# Altium PCB PCB2.PcbDoc (part 2 of 2) (continued)
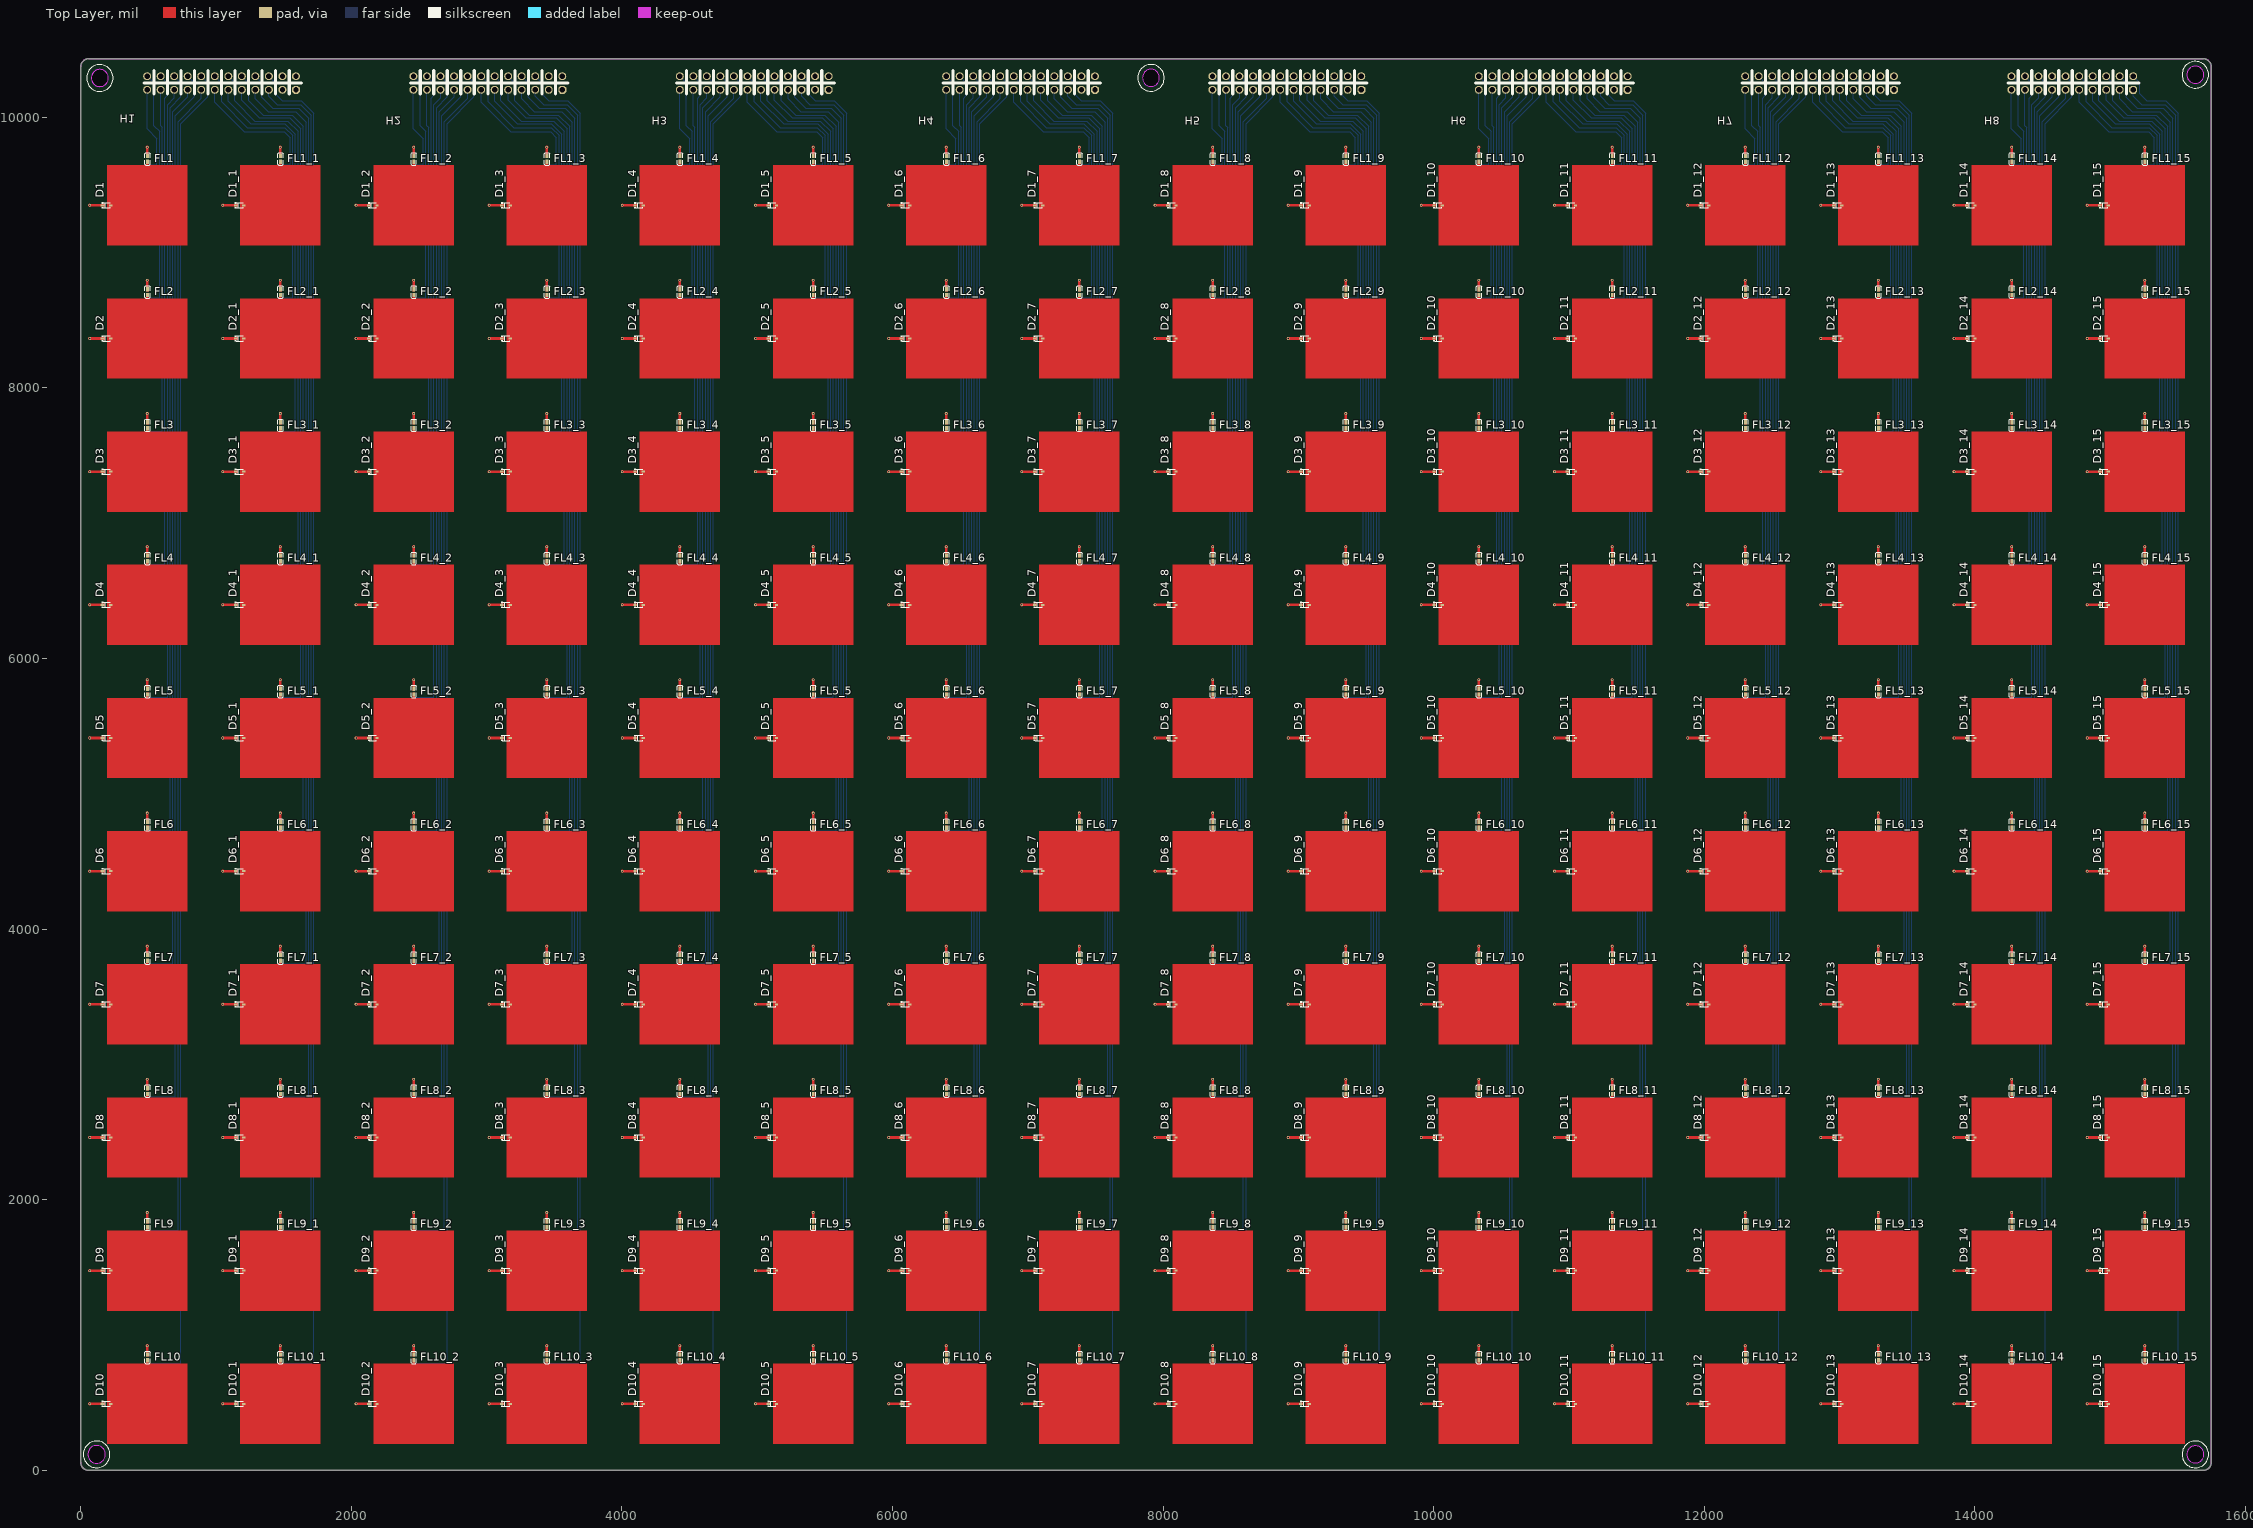
[diagram p0: Top Layer view]
## Nets (pads, with @x,y where several pads share a name; then routed paths per layer and width w, separated by ;. In a path a pad name is that pad's centre, name@x,y a point inside that pad or via, vN(x,y) a via of type N, cw(c..) or ccw(c..) an arc to the next point about the centre after c; other vN are vias at no path point) (continued)
  Bottom Layer w7.87: L3_6.2@6397.48,7738.34 v1(6397.48,7809.87)
NewNet184: H4.21 L3_6.1 | length 2665.7
  Bottom Layer w7.87: L3_6.1@6397.48,7708.34 6397.48,7680.34 6507.84,7680.34 6507.84,9924.67 6496.51,9936 H4.21@6496.51,10203
NewNet185: FL4_6.1 L4_6.2 | length 71.5
  Bottom Layer w7.87: L4_6.2@6397.48,6754.09 v1(6397.48,6825.61)
NewNet186: H4.22 L4_6.1 | length 3793.5
  Bottom Layer w7.87: L4_6.1@6397.48,6724.09 6397.48,6696.09 6527.53,6696.09 6527.53,10142.02 6546.51,10161 6546.51,10253 H4.22@6496.51,10303
NewNet187: FL5_6.1 L5_6.2 | length 71.5
  Bottom Layer w7.87: L5_6.2@6397.48,5769.83 v1(6397.48,5841.36)
NewNet188: H4.19 L5_6.1 | length 4689.3
  Bottom Layer w7.87: L5_6.1@6397.48,5739.83 6397.48,5711.83 6547.21,5711.83 6547.21,10093.7 6596.51,10143 H4.19@6596.51,10203
NewNet189: FL6_6.1 L6_6.2 | length 71.5
  Bottom Layer w7.87: L6_6.2@6397.48,4785.58 v1(6397.48,4857.11)
NewNet190: H4.20 L6_6.1 | length 5826.5
  Bottom Layer w7.87: L6_6.1@6397.48,4755.58 6397.48,4727.58 6566.9,4727.58 6566.9,10070.39 6646.51,10150 6646.51,10253 H4.20@6596.51,10303
NewNet191: FL7_6.1 L7_6.2 | length 71.5
  Bottom Layer w7.87: L7_6.2@6397.48,3801.33 v1(6397.48,3872.86)
NewNet192: H4.17 L7_6.1 | length 6722.3
  Bottom Layer w7.87: L7_6.1@6397.48,3771.33 6397.48,3743.33 6586.58,3743.33 6586.58,10040.07 6696.51,10150 H4.17@6696.51,10203
NewNet193: FL8_6.1 L8_6.2 | length 71.5
  Bottom Layer w7.87: L8_6.2@6397.48,2817.08 v1(6397.48,2888.61)
NewNet194: H4.18 L8_6.1 | length 7858.7
  Bottom Layer w7.87: L8_6.1@6397.48,2787.08 6397.48,2759.08 6606.27,2759.08 6606.27,10011.76 6745.51,10151 6745.51,10254 H4.18@6696.51,10303
NewNet195: FL9_6.1 L9_6.2 | length 71.5
  Bottom Layer w7.87: L9_6.2@6397.48,1832.83 v1(6397.48,1904.35)
NewNet196: H4.15 L9_6.1 | length 8755.3
  Bottom Layer w7.87: L9_6.1@6397.48,1802.83 6397.48,1774.83 6625.95,1774.83 6625.95,9968.44 6796.51,10139 H4.15@6796.51,10203
NewNet197: FL10_6.1 L10_6.2 | length 71.5
  Bottom Layer w7.87: L10_6.2@6397.48,848.57 v1(6397.48,920.1)
NewNet198: H4.16 L10_6.1 | length 9890
  Bottom Layer w7.87: L10_6.1@6397.48,818.57 6397.48,790.57 6645.64,790.57 6645.64,9952.13 6843.51,10150 6843.51,10256 H4.16@6796.51,10303
NewNet199: FL1_6.1 L1_6.2 | length 71.5
  Bottom Layer w7.87: L1_6.2@6397.48,9706.84 v1(6397.48,9778.37)
NewNet200: H4.23 L1_6.1 | length 683
  Bottom Layer w7.87: H4.23@6396.51,10203 6396.51,9913.96 6468.47,9842 6468.47,9648.84 6397.48,9648.84 L1_6.1@6397.48,9676.84
NewNet201: FL2_5.1 L2_5.2 | length 71.5
  Bottom Layer w7.87: L2_5.2@5413.23,8722.59 v1(5413.23,8794.12)
NewNet202: H3.14 L2_5.1 | length 2157.3
  Bottom Layer w7.87: H3.14@4928.01,10303 4979.01,10252 4979.01,10114 5169.01,9924 5445.01,9924 5503.91,9865.1 5503.91,9842 5503.91,8664.59 5413.23,8664.59 L2_5.1@5413.23,8692.59
NewNet203: FL3_5.1 L3_5.2 | length 71.5
  Bottom Layer w7.87: L3_5.2@5413.23,7738.34 v1(5413.23,7809.87)
NewNet204: H3.11 L3_5.1 | length 3013.9
  Bottom Layer w7.87: H3.11@5028.01,10203 5028.01,10119 5195.01,9952 5447.01,9952 5523.59,9875.42 5523.59,9842 5523.59,7680.34 5413.23,7680.34 L3_5.1@5413.23,7708.34
NewNet205: FL4_5.1 L4_5.2 | length 71.5
  Bottom Layer w7.87: L4_5.2@5413.23,6754.09 v1(5413.23,6825.61)
NewNet206: H3.12 L4_5.1 | length 4119.6
  Bottom Layer w7.87: H3.12@5028.01,10303 5075.01,10256 5075.01,10122 5225.01,9972 5466.01,9972 5543.28,9894.73 5543.28,9842 5543.28,6696.09 5413.23,6696.09 L4_5.1@5413.23,6724.09
NewNet207: FL5_5.1 L5_5.2 | length 71.5
  Bottom Layer w7.87: L5_5.2@5413.23,5769.83 v1(5413.23,5841.36)
NewNet208: H3.9 L5_5.1 | length 4980.3
  Bottom Layer w7.87: H3.9@5128.01,10203 5128.01,10126 5258.01,9996 5482.01,9996 5562.96,9915.05 5562.96,9842 5562.96,5711.83 5413.23,5711.83 L5_5.1@5413.23,5739.83
NewNet209: FL6_5.1 L6_5.2 | length 71.5
  Bottom Layer w7.87: L6_5.2@5413.23,4785.58 v1(5413.23,4857.11)
NewNet210: H3.10 L6_5.1 | length 6086.5
  Bottom Layer w7.87: H3.10@5128.01,10303 5178.01,10253 5178.01,10123 5285.01,10016 5499.01,10016 5582.65,9932.36 5582.65,9842 5582.65,4727.58 5413.23,4727.58 L6_5.1@5413.23,4755.58
NewNet211: FL7_5.1 L7_5.2 | length 71.5
  Bottom Layer w7.87: L7_5.2@5413.23,3801.33 v1(5413.23,3872.86)
NewNet212: H3.7 L7_5.1 | length 6950.7
  Bottom Layer w7.87: H3.7@5228.01,10203 5228.01,10135 5322.01,10041 5525.01,10041 5602.33,9963.68 5602.33,9842 5602.33,3743.33 5413.23,3743.33 L7_5.1@5413.23,3771.33
NewNet213: FL8_5.1 L8_5.2 | length 71.5
  Bottom Layer w7.87: L8_5.2@5413.23,2817.08 v1(5413.23,2888.61)
NewNet214: H3.8 L8_5.1 | length 8055.8
  Bottom Layer w7.87: H3.8@5228.01,10303 5277.01,10254 5277.01,10146 5358.01,10065 5549.01,10065 5622.02,9991.99 5622.02,9842 5622.02,2759.08 5413.23,2759.08 L8_5.1@5413.23,2787.08
NewNet215: FL9_5.1 L9_5.2 | length 71.5
  Bottom Layer w7.87: L9_5.2@5413.23,1832.83 v1(5413.23,1904.35)
NewNet216: H3.5 L9_5.1 | length 8917.1
  Bottom Layer w7.87: H3.5@5328.01,10203 5328.01,10154 5390.01,10092 5565.01,10092 5641.7,10015.31 5641.7,9842 5641.7,1774.83 5413.23,1774.83 L9_5.1@5413.23,1802.83
NewNet217: FL10_5.1 L10_5.2 | length 71.5
  Bottom Layer w7.87: L10_5.2@5413.23,848.57 v1(5413.23,920.1)
NewNet218: H3.6 L10_5.1 | length 10008.7
  Bottom Layer w7.87: H3.6@5328.01,10303 5376.01,10255 5376.01,10174 5428.01,10122 5568.01,10122 5661.39,10028.62 5661.39,9842 5661.39,790.57 5413.23,790.57 L10_5.1@5413.23,818.57
NewNet219: FL1_5.1 L1_5.2 | length 71.5
  Bottom Layer w7.87: L1_5.2@5413.23,9706.84 v1(5413.23,9778.37)
NewNet220: H3.13 L1_5.1 | length 1056.3
  Bottom Layer w7.87: H3.13@4928.01,10203 4928.01,10109 5146.01,9891 5441.01,9891 5484.22,9847.79 5484.22,9842 5484.22,9648.84 5413.23,9648.84 L1_5.1@5413.23,9676.84
NewNet221: FL2_4.1 L2_4.2 | length 71.5
  Bottom Layer w7.87: L2_4.2@4428.98,8722.59 v1(4428.98,8794.12)
NewNet222: H3.24 L2_4.1 | length 1795
  Bottom Layer w7.87: H3.24@4428.01,10303 4477.01,10254 4477.01,9938 4519.65,9895.35 4519.65,8664.59 4428.98,8664.59 L2_4.1@4428.98,8692.59
NewNet223: FL3_4.1 L3_4.2 | length 71.5
  Bottom Layer w7.87: L3_4.2@4428.98,7738.34 v1(4428.98,7809.87)
NewNet224: H3.21 L3_4.1 | length 2665.7
  Bottom Layer w7.87: L3_4.1@4428.98,7708.34 4428.98,7680.34 4539.34,7680.34 4539.34,9924.67 4528.01,9936 H3.21@4528.01,10203
NewNet225: FL4_4.1 L4_4.2 | length 71.5
  Bottom Layer w7.87: L4_4.2@4428.98,6754.09 v1(4428.98,6825.61)
NewNet226: H3.22 L4_4.1 | length 3793.5
  Bottom Layer w7.87: L4_4.1@4428.98,6724.09 4428.98,6696.09 4559.02,6696.09 4559.02,10142.02 4578.01,10161 4578.01,10253 H3.22@4528.01,10303
NewNet227: FL5_4.1 L5_4.2 | length 71.5
  Bottom Layer w7.87: L5_4.2@4428.98,5769.83 v1(4428.98,5841.36)
NewNet228: H3.19 L5_4.1 | length 4689.3
  Bottom Layer w7.87: L5_4.1@4428.98,5739.83 4428.98,5711.83 4578.71,5711.83 4578.71,10093.7 4628.01,10143 H3.19@4628.01,10203
NewNet229: FL6_4.1 L6_4.2 | length 71.5
  Bottom Layer w7.87: L6_4.2@4428.98,4785.58 v1(4428.98,4857.11)
NewNet230: H3.20 L6_4.1 | length 5826.5
  Bottom Layer w7.87: L6_4.1@4428.98,4755.58 4428.98,4727.58 4598.39,4727.58 4598.39,10070.39 4678.01,10150 4678.01,10253 H3.20@4628.01,10303
NewNet231: FL7_4.1 L7_4.2 | length 71.5
  Bottom Layer w7.87: L7_4.2@4428.98,3801.33 v1(4428.98,3872.86)
NewNet232: H3.17 L7_4.1 | length 6722.3
  Bottom Layer w7.87: L7_4.1@4428.98,3771.33 4428.98,3743.33 4618.08,3743.33 4618.08,10040.07 4728.01,10150 H3.17@4728.01,10203
NewNet233: FL8_4.1 L8_4.2 | length 71.5
  Bottom Layer w7.87: L8_4.2@4428.98,2817.08 v1(4428.98,2888.61)
NewNet234: H3.18 L8_4.1 | length 7858.7
  Bottom Layer w7.87: L8_4.1@4428.98,2787.08 4428.98,2759.08 4637.76,2759.08 4637.76,10011.76 4777.01,10151 4777.01,10254 H3.18@4728.01,10303
NewNet235: FL9_4.1 L9_4.2 | length 71.5
  Bottom Layer w7.87: L9_4.2@4428.98,1832.83 v1(4428.98,1904.35)
NewNet236: H3.15 L9_4.1 | length 8755.3
  Bottom Layer w7.87: L9_4.1@4428.98,1802.83 4428.98,1774.83 4657.45,1774.83 4657.45,9968.44 4828.01,10139 H3.15@4828.01,10203
NewNet237: FL10_4.1 L10_4.2 | length 71.5
  Bottom Layer w7.87: L10_4.2@4428.98,848.57 v1(4428.98,920.1)
NewNet238: H3.16 L10_4.1 | length 9890
  Bottom Layer w7.87: L10_4.1@4428.98,818.57 4428.98,790.57 4677.13,790.57 4677.13,9952.13 4875.01,10150 4875.01,10256 H3.16@4828.01,10303
NewNet239: FL1_4.1 L1_4.2 | length 71.5
  Bottom Layer w7.87: L1_4.2@4428.98,9706.84 v1(4428.98,9778.37)
NewNet240: H3.23 L1_4.1 | length 683
  Bottom Layer w7.87: H3.23@4428.01,10203 4428.01,9913.96 4499.97,9842 4499.97,9648.84 4428.98,9648.84 L1_4.1@4428.98,9676.84
NewNet241: FL2_3.1 L2_3.2 | length 71.5
  Bottom Layer w7.87: L2_3.2@3444.72,8722.59 v1(3444.72,8794.12)
NewNet242: H2.14 L2_3.1 | length 2157.3
  Bottom Layer w7.87: H2.14@2959.5,10303 3010.5,10252 3010.5,10114 3200.5,9924 3476.5,9924 3535.4,9865.1 3535.4,8664.59 3444.72,8664.59 L2_3.1@3444.72,8692.59
NewNet243: FL3_3.1 L3_3.2 | length 71.5
  Bottom Layer w7.87: L3_3.2@3444.72,7738.34 v1(3444.72,7809.87)
NewNet244: H2.11 L3_3.1 | length 3013.9
  Bottom Layer w7.87: H2.11@3059.5,10203 3059.5,10119 3226.5,9952 3478.5,9952 3555.09,9875.42 3555.09,7680.34 3444.72,7680.34 L3_3.1@3444.72,7708.34
NewNet245: FL4_3.1 L4_3.2 | length 71.5
  Bottom Layer w7.87: L4_3.2@3444.72,6754.09 v1(3444.72,6825.61)
NewNet246: H2.12 L4_3.1 | length 4119.6
  Bottom Layer w7.87: H2.12@3059.5,10303 3106.5,10256 3106.5,10122 3256.5,9972 3497.5,9972 3574.77,9894.73 3574.77,6696.09 3444.72,6696.09 L4_3.1@3444.72,6724.09
NewNet247: FL5_3.1 L5_3.2 | length 71.5
  Bottom Layer w7.87: L5_3.2@3444.72,5769.83 v1(3444.72,5841.36)
NewNet248: H2.9 L5_3.1 | length 4980.3
  Bottom Layer w7.87: H2.9@3159.5,10203 3159.5,10126 3289.5,9996 3513.5,9996 3594.46,9915.05 3594.46,5711.83 3444.72,5711.83 L5_3.1@3444.72,5739.83
NewNet249: FL6_3.1 L6_3.2 | length 71.5
  Bottom Layer w7.87: L6_3.2@3444.72,4785.58 v1(3444.72,4857.11)
NewNet250: H2.10 L6_3.1 | length 6086.5
  Bottom Layer w7.87: H2.10@3159.5,10303 3209.5,10253 3209.5,10123 3316.5,10016 3530.5,10016 3614.14,9932.36 3614.14,4727.58 3444.72,4727.58 L6_3.1@3444.72,4755.58
NewNet251: FL7_3.1 L7_3.2 | length 71.5
  Bottom Layer w7.87: L7_3.2@3444.72,3801.33 v1(3444.72,3872.86)
NewNet252: H2.7 L7_3.1 | length 6950.7
  Bottom Layer w7.87: H2.7@3259.5,10203 3259.5,10135 3353.5,10041 3556.5,10041 3633.83,9963.68 3633.83,3743.33 3444.72,3743.33 L7_3.1@3444.72,3771.33
NewNet253: FL8_3.1 L8_3.2 | length 71.5
  Bottom Layer w7.87: L8_3.2@3444.72,2817.08 v1(3444.72,2888.61)
NewNet254: H2.8 L8_3.1 | length 8055.8
  Bottom Layer w7.87: H2.8@3259.5,10303 3308.5,10254 3308.5,10146 3389.5,10065 3580.5,10065 3653.51,9991.99 3653.51,2759.08 3444.72,2759.08 L8_3.1@3444.72,2787.08
NewNet255: FL9_3.1 L9_3.2 | length 71.5
  Bottom Layer w7.87: L9_3.2@3444.72,1832.83 v1(3444.72,1904.35)
NewNet256: H2.5 L9_3.1 | length 8917.1
  Bottom Layer w7.87: H2.5@3359.5,10203 3359.5,10154 3421.5,10092 3596.5,10092 3673.2,10015.31 3673.2,1774.83 3444.72,1774.83 L9_3.1@3444.72,1802.83
NewNet257: FL10_3.1 L10_3.2 | length 71.5
  Bottom Layer w7.87: L10_3.2@3444.72,848.57 v1(3444.72,920.1)
NewNet258: H2.6 L10_3.1 | length 10008.7
  Bottom Layer w7.87: H2.6@3359.5,10303 3407.5,10255 3407.5,10174 3459.5,10122 3599.5,10122 3692.88,10028.62 3692.88,790.57 3444.72,790.57 L10_3.1@3444.72,818.57
NewNet259: FL1_3.1 L1_3.2 | length 71.5
  Bottom Layer w7.87: L1_3.2@3444.72,9706.84 v1(3444.72,9778.37)
NewNet260: H2.13 L1_3.1 | length 1056.3
  Bottom Layer w7.87: H2.13@2959.5,10203 2959.5,10109 3177.5,9891 3472.5,9891 3515.72,9847.79 3515.72,9648.84 3444.72,9648.84 L1_3.1@3444.72,9676.84
NewNet261: FL2_2.1 L2_2.2 | length 71.5
  Bottom Layer w7.87: L2_2.2@2460.47,8722.59 v1(2460.47,8794.12)
NewNet262: H2.24 L2_2.1 | length 1795
  Bottom Layer w7.87: H2.24@2459.5,10303 2508.5,10254 2508.5,9938 2551.15,9895.35 2551.15,8664.59 2460.47,8664.59 L2_2.1@2460.47,8692.59
NewNet263: FL3_2.1 L3_2.2 | length 71.5
  Bottom Layer w7.87: L3_2.2@2460.47,7738.34 v1(2460.47,7809.87)
NewNet264: H2.21 L3_2.1 | length 2665.7
  Bottom Layer w7.87: L3_2.1@2460.47,7708.34 2460.47,7680.34 2570.83,7680.34 2570.83,9924.67 2559.5,9936 H2.21@2559.5,10203
NewNet265: FL4_2.1 L4_2.2 | length 71.5
  Bottom Layer w7.87: L4_2.2@2460.47,6754.09 v1(2460.47,6825.61)
NewNet266: H2.22 L4_2.1 | length 3793.5
  Bottom Layer w7.87: L4_2.1@2460.47,6724.09 2460.47,6696.09 2590.52,6696.09 2590.52,10142.02 2609.5,10161 2609.5,10253 H2.22@2559.5,10303
NewNet267: FL5_2.1 L5_2.2 | length 71.5
  Bottom Layer w7.87: L5_2.2@2460.47,5769.83 v1(2460.47,5841.36)
NewNet268: H2.19 L5_2.1 | length 4689.3
  Bottom Layer w7.87: L5_2.1@2460.47,5739.83 2460.47,5711.83 2610.2,5711.83 2610.2,10093.7 2659.5,10143 H2.19@2659.5,10203
NewNet269: FL6_2.1 L6_2.2 | length 71.5
  Bottom Layer w7.87: L6_2.2@2460.47,4785.58 v1(2460.47,4857.11)
NewNet270: H2.20 L6_2.1 | length 5826.5
  Bottom Layer w7.87: L6_2.1@2460.47,4755.58 2460.47,4727.58 2629.89,4727.58 2629.89,10070.39 2709.5,10150 2709.5,10253 H2.20@2659.5,10303
NewNet271: FL7_2.1 L7_2.2 | length 71.5
  Bottom Layer w7.87: L7_2.2@2460.47,3801.33 v1(2460.47,3872.86)
NewNet272: H2.17 L7_2.1 | length 6722.3
  Bottom Layer w7.87: L7_2.1@2460.47,3771.33 2460.47,3743.33 2649.57,3743.33 2649.57,10040.07 2759.5,10150 H2.17@2759.5,10203
NewNet273: FL8_2.1 L8_2.2 | length 71.5
  Bottom Layer w7.87: L8_2.2@2460.47,2817.08 v1(2460.47,2888.61)
NewNet274: H2.18 L8_2.1 | length 7858.7
  Bottom Layer w7.87: L8_2.1@2460.47,2787.08 2460.47,2759.08 2669.26,2759.08 2669.26,10011.76 2808.5,10151 2808.5,10254 H2.18@2759.5,10303
NewNet275: FL9_2.1 L9_2.2 | length 71.5
  Bottom Layer w7.87: L9_2.2@2460.47,1832.83 v1(2460.47,1904.35)
NewNet276: H2.15 L9_2.1 | length 8755.3
  Bottom Layer w7.87: L9_2.1@2460.47,1802.83 2460.47,1774.83 2688.94,1774.83 2688.94,9968.44 2859.5,10139 H2.15@2859.5,10203
NewNet277: FL10_2.1 L10_2.2 | length 71.5
  Bottom Layer w7.87: L10_2.2@2460.47,848.57 v1(2460.47,920.1)
NewNet278: H2.16 L10_2.1 | length 9890
  Bottom Layer w7.87: L10_2.1@2460.47,818.57 2460.47,790.57 2708.63,790.57 2708.63,9952.13 2906.5,10150 2906.5,10256 H2.16@2859.5,10303
NewNet279: FL1_2.1 L1_2.2 | length 71.5
  Bottom Layer w7.87: L1_2.2@2460.47,9706.84 v1(2460.47,9778.37)
NewNet280: H2.23 L1_2.1 | length 683
  Bottom Layer w7.87: H2.23@2459.5,10203 2459.5,9913.96 2531.46,9842 2531.46,9648.84 2460.47,9648.84 L1_2.1@2460.47,9676.84
NewNet281: FL2_1.1 L2_1.2 | length 71.5
  Bottom Layer w7.87: L2_1.2@1476.22,8722.59 v1(1476.22,8794.12)
NewNet282: H1.14 L2_1.1 | length 2157.3
  Bottom Layer w7.87: H1.14@991,10303 1042,10252 1042,10114 1232,9924 1508,9924 1566.9,9865.1 1566.9,8664.59 1476.22,8664.59 L2_1.1@1476.22,8692.59
NewNet283: FL3_1.1 L3_1.2 | length 71.5
  Bottom Layer w7.87: L3_1.2@1476.22,7738.34 v1(1476.22,7809.87)
NewNet284: H1.11 L3_1.1 | length 3013.9
  Bottom Layer w7.87: H1.11@1091,10203 1091,10119 1258,9952 1510,9952 1586.58,9875.42 1586.58,7680.34 1476.22,7680.34 L3_1.1@1476.22,7708.34
NewNet285: FL4_1.1 L4_1.2 | length 71.5
  Bottom Layer w7.87: L4_1.2@1476.22,6754.09 v1(1476.22,6825.61)
NewNet286: H1.12 L4_1.1 | length 4119.6
  Bottom Layer w7.87: H1.12@1091,10303 1138,10256 1138,10122 1288,9972 1529,9972 1606.27,9894.73 1606.27,6696.09 1476.22,6696.09 L4_1.1@1476.22,6724.09
NewNet287: FL5_1.1 L5_1.2 | length 71.5
  Bottom Layer w7.87: L5_1.2@1476.22,5769.83 v1(1476.22,5841.36)
NewNet288: H1.9 L5_1.1 | length 4980.3
  Bottom Layer w7.87: H1.9@1191,10203 1191,10126 1321,9996 1545,9996 1625.95,9915.05 1625.95,5711.83 1476.22,5711.83 L5_1.1@1476.22,5739.83
NewNet289: FL6_1.1 L6_1.2 | length 71.5
  Bottom Layer w7.87: L6_1.2@1476.22,4785.58 v1(1476.22,4857.11)
NewNet290: H1.10 L6_1.1 | length 6086.5
  Bottom Layer w7.87: H1.10@1191,10303 1241,10253 1241,10123 1348,10016 1562,10016 1645.64,9932.36 1645.64,4727.58 1476.22,4727.58 L6_1.1@1476.22,4755.58
NewNet291: FL7_1.1 L7_1.2 | length 71.5
  Bottom Layer w7.87: L7_1.2@1476.22,3801.33 v1(1476.22,3872.86)
NewNet292: H1.7 L7_1.1 | length 6950.7
  Bottom Layer w7.87: H1.7@1291,10203 1291,10135 1385,10041 1588,10041 1665.32,9963.68 1665.32,3743.33 1476.22,3743.33 L7_1.1@1476.22,3771.33
NewNet293: FL8_1.1 L8_1.2 | length 71.5
  Bottom Layer w7.87: L8_1.2@1476.22,2817.08 v1(1476.22,2888.61)
NewNet294: H1.8 L8_1.1 | length 8055.8
  Bottom Layer w7.87: H1.8@1291,10303 1340,10254 1340,10146 1421,10065 1612,10065 1685.01,9991.99 1685.01,2759.08 1476.22,2759.08 L8_1.1@1476.22,2787.08
NewNet295: FL9_1.1 L9_1.2 | length 71.5
  Bottom Layer w7.87: L9_1.2@1476.22,1832.83 v1(1476.22,1904.35)
NewNet296: H1.5 L9_1.1 | length 8917.1
  Bottom Layer w7.87: H1.5@1391,10203 1391,10154 1453,10092 1628,10092 1704.69,10015.31 1704.69,1774.83 1476.22,1774.83 L9_1.1@1476.22,1802.83
NewNet297: FL10_1.1 L10_1.2 | length 71.5
  Bottom Layer w7.87: L10_1.2@1476.22,848.57 v1(1476.22,920.1)
NewNet298: H1.6 L10_1.1 | length 10008.7
  Bottom Layer w7.87: H1.6@1391,10303 1439,10255 1439,10174 1491,10122 1631,10122 1724.38,10028.62 1724.38,790.57 1476.22,790.57 L10_1.1@1476.22,818.57
NewNet299: FL1_1.1 L1_1.2 | length 71.5
  Bottom Layer w7.87: L1_1.2@1476.22,9706.84 v1(1476.22,9778.37)
NewNet300: H1.13 L1_1.1 | length 1056.3
  Bottom Layer w7.87: H1.13@991,10203 991,10109 1209,9891 1504,9891 1547.21,9847.79 1547.21,9648.84 1476.22,9648.84 L1_1.1@1476.22,9676.84
NewNet301: FL1.1 L1.2 | length 71.5
  Bottom Layer w7.87: L1.2@491.97,9706.84 v1(491.97,9778.37)
NewNet302: H1.23 L1.1 | length 683
  Bottom Layer w7.87: H1.23@491,10203 491,9913.96 562.96,9842 562.96,9648.84 491.97,9648.84 L1.1@491.97,9676.84
NewNet303: FL10.1 L10.2 | length 71.5
  Bottom Layer w7.87: L10.2@491.97,848.57 v1(491.97,920.1)
NewNet304: H1.16 L10.1 | length 9890
  Bottom Layer w7.87: L10.1@491.97,818.57 491.97,790.57 740.13,790.57 740.13,9952.13 938,10150 938,10256 H1.16@891,10303
NewNet305: FL9.1 L9.2 | length 71.5
  Bottom Layer w7.87: L9.2@491.97,1832.83 v1(491.97,1904.35)
NewNet306: H1.15 L9.1 | length 8755.3
  Bottom Layer w7.87: L9.1@491.97,1802.83 491.97,1774.83 720.44,1774.83 720.44,9968.44 891,10139 H1.15@891,10203
NewNet307: FL8.1 L8.2 | length 71.5
  Bottom Layer w7.87: L8.2@491.97,2817.08 v1(491.97,2888.61)
NewNet308: H1.18 L8.1 | length 7858.7
  Bottom Layer w7.87: L8.1@491.97,2787.08 491.97,2759.08 700.76,2759.08 700.76,10011.76 840,10151 840,10254 H1.18@791,10303
NewNet309: FL7.1 L7.2 | length 71.5
  Bottom Layer w7.87: L7.2@491.97,3801.33 v1(491.97,3872.86)
NewNet310: H1.17 L7.1 | length 6722.3
  Bottom Layer w7.87: L7.1@491.97,3771.33 491.97,3743.33 681.07,3743.33 681.07,10040.07 791,10150 H1.17@791,10203
NewNet311: FL6.1 L6.2 | length 71.5
  Bottom Layer w7.87: L6.2@491.97,4785.58 v1(491.97,4857.11)
NewNet312: H1.20 L6.1 | length 5826.5
  Bottom Layer w7.87: L6.1@491.97,4755.58 491.97,4727.58 661.39,4727.58 661.39,10070.39 741,10150 741,10253 H1.20@691,10303
NewNet313: FL5.1 L5.2 | length 71.5
  Bottom Layer w7.87: L5.2@491.97,5769.83 v1(491.97,5841.36)
NewNet314: H1.19 L5.1 | length 4689.3
  Bottom Layer w7.87: L5.1@491.97,5739.83 491.97,5711.83 641.7,5711.83 641.7,10093.7 691,10143 H1.19@691,10203
NewNet315: FL4.1 L4.2 | length 71.5
  Bottom Layer w7.87: L4.2@491.97,6754.09 v1(491.97,6825.61)
NewNet316: H1.22 L4.1 | length 3793.5
  Bottom Layer w7.87: L4.1@491.97,6724.09 491.97,6696.09 622.02,6696.09 622.02,10142.02 641,10161 641,10253 H1.22@591,10303
NewNet317: FL3.1 L3.2 | length 71.5
  Bottom Layer w7.87: L3.2@491.97,7738.34 v1(491.97,7809.87)
NewNet318: H1.21 L3.1 | length 2665.7
  Bottom Layer w7.87: L3.1@491.97,7708.34 491.97,7680.34 602.33,7680.34 602.33,9924.67 591,9936 H1.21@591,10203
NewNet319: FL2.1 L2.2 | length 71.5
  Bottom Layer w7.87: L2.2@491.97,8722.59 v1(491.97,8794.12)
NewNet320: H1.24 L2.1 | length 1795
  Bottom Layer w7.87: H1.24@491,10303 540,10254 540,9938 582.65,9895.35 582.65,8664.59 491.97,8664.59 L2.1@491.97,8692.59
NewNet321: D1_15.2 FL1_15.2
NewNet322: D2_15.2 FL2_15.2
NewNet323: D3_15.2 FL3_15.2
NewNet324: D4_15.2 FL4_15.2
NewNet325: D5_15.2 FL5_15.2
NewNet326: D6_15.2 FL6_15.2
NewNet327: D7_15.2 FL7_15.2
NewNet328: D8_15.2 FL8_15.2
NewNet329: D9_15.2 FL9_15.2
NewNet330: D10_15.2 FL10_15.2
NewNet331: D1_14.2 FL1_14.2
NewNet332: D2_14.2 FL2_14.2
NewNet333: D3_14.2 FL3_14.2
NewNet334: D4_14.2 FL4_14.2
NewNet335: D5_14.2 FL5_14.2
NewNet336: D6_14.2 FL6_14.2
NewNet337: D7_14.2 FL7_14.2
NewNet338: D8_14.2 FL8_14.2
NewNet339: D9_14.2 FL9_14.2
NewNet340: D10_14.2 FL10_14.2
NewNet341: D1_13.2 FL1_13.2
NewNet342: D2_13.2 FL2_13.2
NewNet343: D3_13.2 FL3_13.2
NewNet344: D4_13.2 FL4_13.2
NewNet345: D5_13.2 FL5_13.2
NewNet346: D6_13.2 FL6_13.2
NewNet347: D7_13.2 FL7_13.2
NewNet348: D8_13.2 FL8_13.2
NewNet349: D9_13.2 FL9_13.2
NewNet350: D10_13.2 FL10_13.2
NewNet351: D1_12.2 FL1_12.2
NewNet352: D2_12.2 FL2_12.2
NewNet353: D3_12.2 FL3_12.2
NewNet354: D4_12.2 FL4_12.2
NewNet355: D5_12.2 FL5_12.2
NewNet356: D6_12.2 FL6_12.2
NewNet357: D7_12.2 FL7_12.2
NewNet358: D8_12.2 FL8_12.2
NewNet359: D9_12.2 FL9_12.2
NewNet360: D10_12.2 FL10_12.2
NewNet361: D1_11.2 FL1_11.2
NewNet362: D2_11.2 FL2_11.2
NewNet363: D3_11.2 FL3_11.2
NewNet364: D4_11.2 FL4_11.2
NewNet365: D5_11.2 FL5_11.2
NewNet366: D6_11.2 FL6_11.2
NewNet367: D7_11.2 FL7_11.2
NewNet368: D8_11.2 FL8_11.2
NewNet369: D9_11.2 FL9_11.2
NewNet370: D10_11.2 FL10_11.2
NewNet371: D1_10.2 FL1_10.2
NewNet372: D2_10.2 FL2_10.2
NewNet373: D3_10.2 FL3_10.2
NewNet374: D4_10.2 FL4_10.2
NewNet375: D5_10.2 FL5_10.2
NewNet376: D6_10.2 FL6_10.2
NewNet377: D7_10.2 FL7_10.2
NewNet378: D8_10.2 FL8_10.2
NewNet379: D9_10.2 FL9_10.2
NewNet380: D10_10.2 FL10_10.2
NewNet381: D1_9.2 FL1_9.2
NewNet382: D2_9.2 FL2_9.2
NewNet383: D3_9.2 FL3_9.2
NewNet384: D4_9.2 FL4_9.2
NewNet385: D5_9.2 FL5_9.2
NewNet386: D6_9.2 FL6_9.2
NewNet387: D7_9.2 FL7_9.2
NewNet388: D8_9.2 FL8_9.2
NewNet389: D9_9.2 FL9_9.2
NewNet390: D10_9.2 FL10_9.2
NewNet391: D1_8.2 FL1_8.2
NewNet392: D2_8.2 FL2_8.2
NewNet393: D3_8.2 FL3_8.2
NewNet394: D4_8.2 FL4_8.2
NewNet395: D5_8.2 FL5_8.2
NewNet396: D6_8.2 FL6_8.2
NewNet397: D7_8.2 FL7_8.2
NewNet398: D8_8.2 FL8_8.2
NewNet399: D9_8.2 FL9_8.2
NewNet400: D10_8.2 FL10_8.2
NewNet401: D1_7.2 FL1_7.2
NewNet402: D2_7.2 FL2_7.2
NewNet403: D3_7.2 FL3_7.2
NewNet404: D4_7.2 FL4_7.2
NewNet405: D5_7.2 FL5_7.2
NewNet406: D6_7.2 FL6_7.2
NewNet407: D7_7.2 FL7_7.2
NewNet408: D8_7.2 FL8_7.2
NewNet409: D9_7.2 FL9_7.2
NewNet410: D10_7.2 FL10_7.2
NewNet411: D1_6.2 FL1_6.2
NewNet412: D2_6.2 FL2_6.2
NewNet413: D3_6.2 FL3_6.2
NewNet414: D4_6.2 FL4_6.2
NewNet415: D5_6.2 FL5_6.2
NewNet416: D6_6.2 FL6_6.2
NewNet417: D7_6.2 FL7_6.2
NewNet418: D8_6.2 FL8_6.2
NewNet419: D9_6.2 FL9_6.2
NewNet420: D10_6.2 FL10_6.2
NewNet421: D1_5.2 FL1_5.2
NewNet422: D2_5.2 FL2_5.2
NewNet423: D3_5.2 FL3_5.2
NewNet424: D4_5.2 FL4_5.2
NewNet425: D5_5.2 FL5_5.2
NewNet426: D6_5.2 FL6_5.2
NewNet427: D7_5.2 FL7_5.2
NewNet428: D8_5.2 FL8_5.2
NewNet429: D9_5.2 FL9_5.2
NewNet430: D10_5.2 FL10_5.2
NewNet431: D1_4.2 FL1_4.2
NewNet432: D2_4.2 FL2_4.2
NewNet433: D3_4.2 FL3_4.2
NewNet434: D4_4.2 FL4_4.2
NewNet435: D5_4.2 FL5_4.2
NewNet436: D6_4.2 FL6_4.2
NewNet437: D7_4.2 FL7_4.2
NewNet438: D8_4.2 FL8_4.2
NewNet439: D9_4.2 FL9_4.2
NewNet440: D10_4.2 FL10_4.2
NewNet441: D1_3.2 FL1_3.2
NewNet442: D2_3.2 FL2_3.2
NewNet443: D3_3.2 FL3_3.2
NewNet444: D4_3.2 FL4_3.2
NewNet445: D5_3.2 FL5_3.2
NewNet446: D6_3.2 FL6_3.2
NewNet447: D7_3.2 FL7_3.2
NewNet448: D8_3.2 FL8_3.2
NewNet449: D9_3.2 FL9_3.2
NewNet450: D10_3.2 FL10_3.2
NewNet451: D1_2.2 FL1_2.2
NewNet452: D2_2.2 FL2_2.2
NewNet453: D3_2.2 FL3_2.2
NewNet454: D4_2.2 FL4_2.2
NewNet455: D5_2.2 FL5_2.2
NewNet456: D6_2.2 FL6_2.2
NewNet457: D7_2.2 FL7_2.2
NewNet458: D8_2.2 FL8_2.2
NewNet459: D9_2.2 FL9_2.2
NewNet460: D10_2.2 FL10_2.2
NewNet461: D1_1.2 FL1_1.2
NewNet462: D2_1.2 FL2_1.2
NewNet463: D3_1.2 FL3_1.2
NewNet464: D4_1.2 FL4_1.2
NewNet465: D5_1.2 FL5_1.2
NewNet466: D6_1.2 FL6_1.2
NewNet467: D7_1.2 FL7_1.2
NewNet468: D8_1.2 FL8_1.2
NewNet469: D9_1.2 FL9_1.2
NewNet470: D10_1.2 FL10_1.2
NewNet471: D10.2 FL10.2
NewNet472: D9.2 FL9.2
NewNet473: D8.2 FL8.2
NewNet474: D7.2 FL7.2
NewNet475: D6.2 FL6.2
NewNet476: D5.2 FL5.2
NewNet477: D4.2 FL4.2
NewNet478: D3.2 FL3.2
NewNet479: D2.2 FL2.2
NewNet480: D1.2 FL1.2

## Polygon pours and split planes (outlines as drawn)
GND on Y1 "GND1" (solid, pour order 6): -0.16,10431.91 -0.16,-1.16 15747.87,-1.16 15747.87,10431.91

## Keep-outs
Keep-Out Layer:
  circle w0.79: c7910.57,10291.29 r62.99
  circle w0.79: c15629.57,117.11 r62.99
  circle w0.79: c15629.57,10314.11 r62.99
  circle w0.79: c141.57,10290.11 r62.99
  circle w0.79: c117.95,116.95 r64.96
  lines w0.5: -0.16,57.9 -0.16,10372.86 ; 58.9,-1.16 15688.82,-1.16 ; 58.9,10431.91 15688.82,10431.91 ; 15747.87,57.9 15747.87,10372.86
  lines w0.51: -0.16,57.9 ccw(c58.9,57.9) 58.9,-1.16 ; -0.16,10372.86 cw(c58.9,10372.86) 58.9,10431.91 ; 15688.82,-1.16 ccw(c15688.82,57.9) 15747.87,57.9 ; 15688.82,10431.91 cw(c15688.82,10372.86) 15747.87,10372.86

## Other copper
Top Layer:
  drawing of 480 lines, arcs and shapes, not listed

## Silkscreen, mask and mechanical layers (free items; w line width, h text height)
Top Overlay:
  circle w0.79: c7910.57,10291.29 r98.43
  circle w0.79: c15629.57,117.11 r98.43
  circle w0.79: c117.57,117.11 r98.43
  circle w0.79: c15629.57,10314.11 r98.43
  circle w0.79: c141.57,10290.11 r98.43
Bottom Overlay:
  drawing of 20498 lines, arcs and shapes, not listed
  text "Wireless System Lab" at 11542,4550 h414.33
Top Solder:
  drawing of 480 lines, arcs and shapes, not listed
Mechanical 1:
  drawing of 2880 lines, arcs and shapes, not listed
Mechanical 2:
  drawing of 320 lines, arcs and shapes, not listed
Mechanical 3:
  drawing of 237 lines, arcs and shapes, not listed